# Altium PCB Panelizado.PcbDoc (part 2 of 4) (continued)
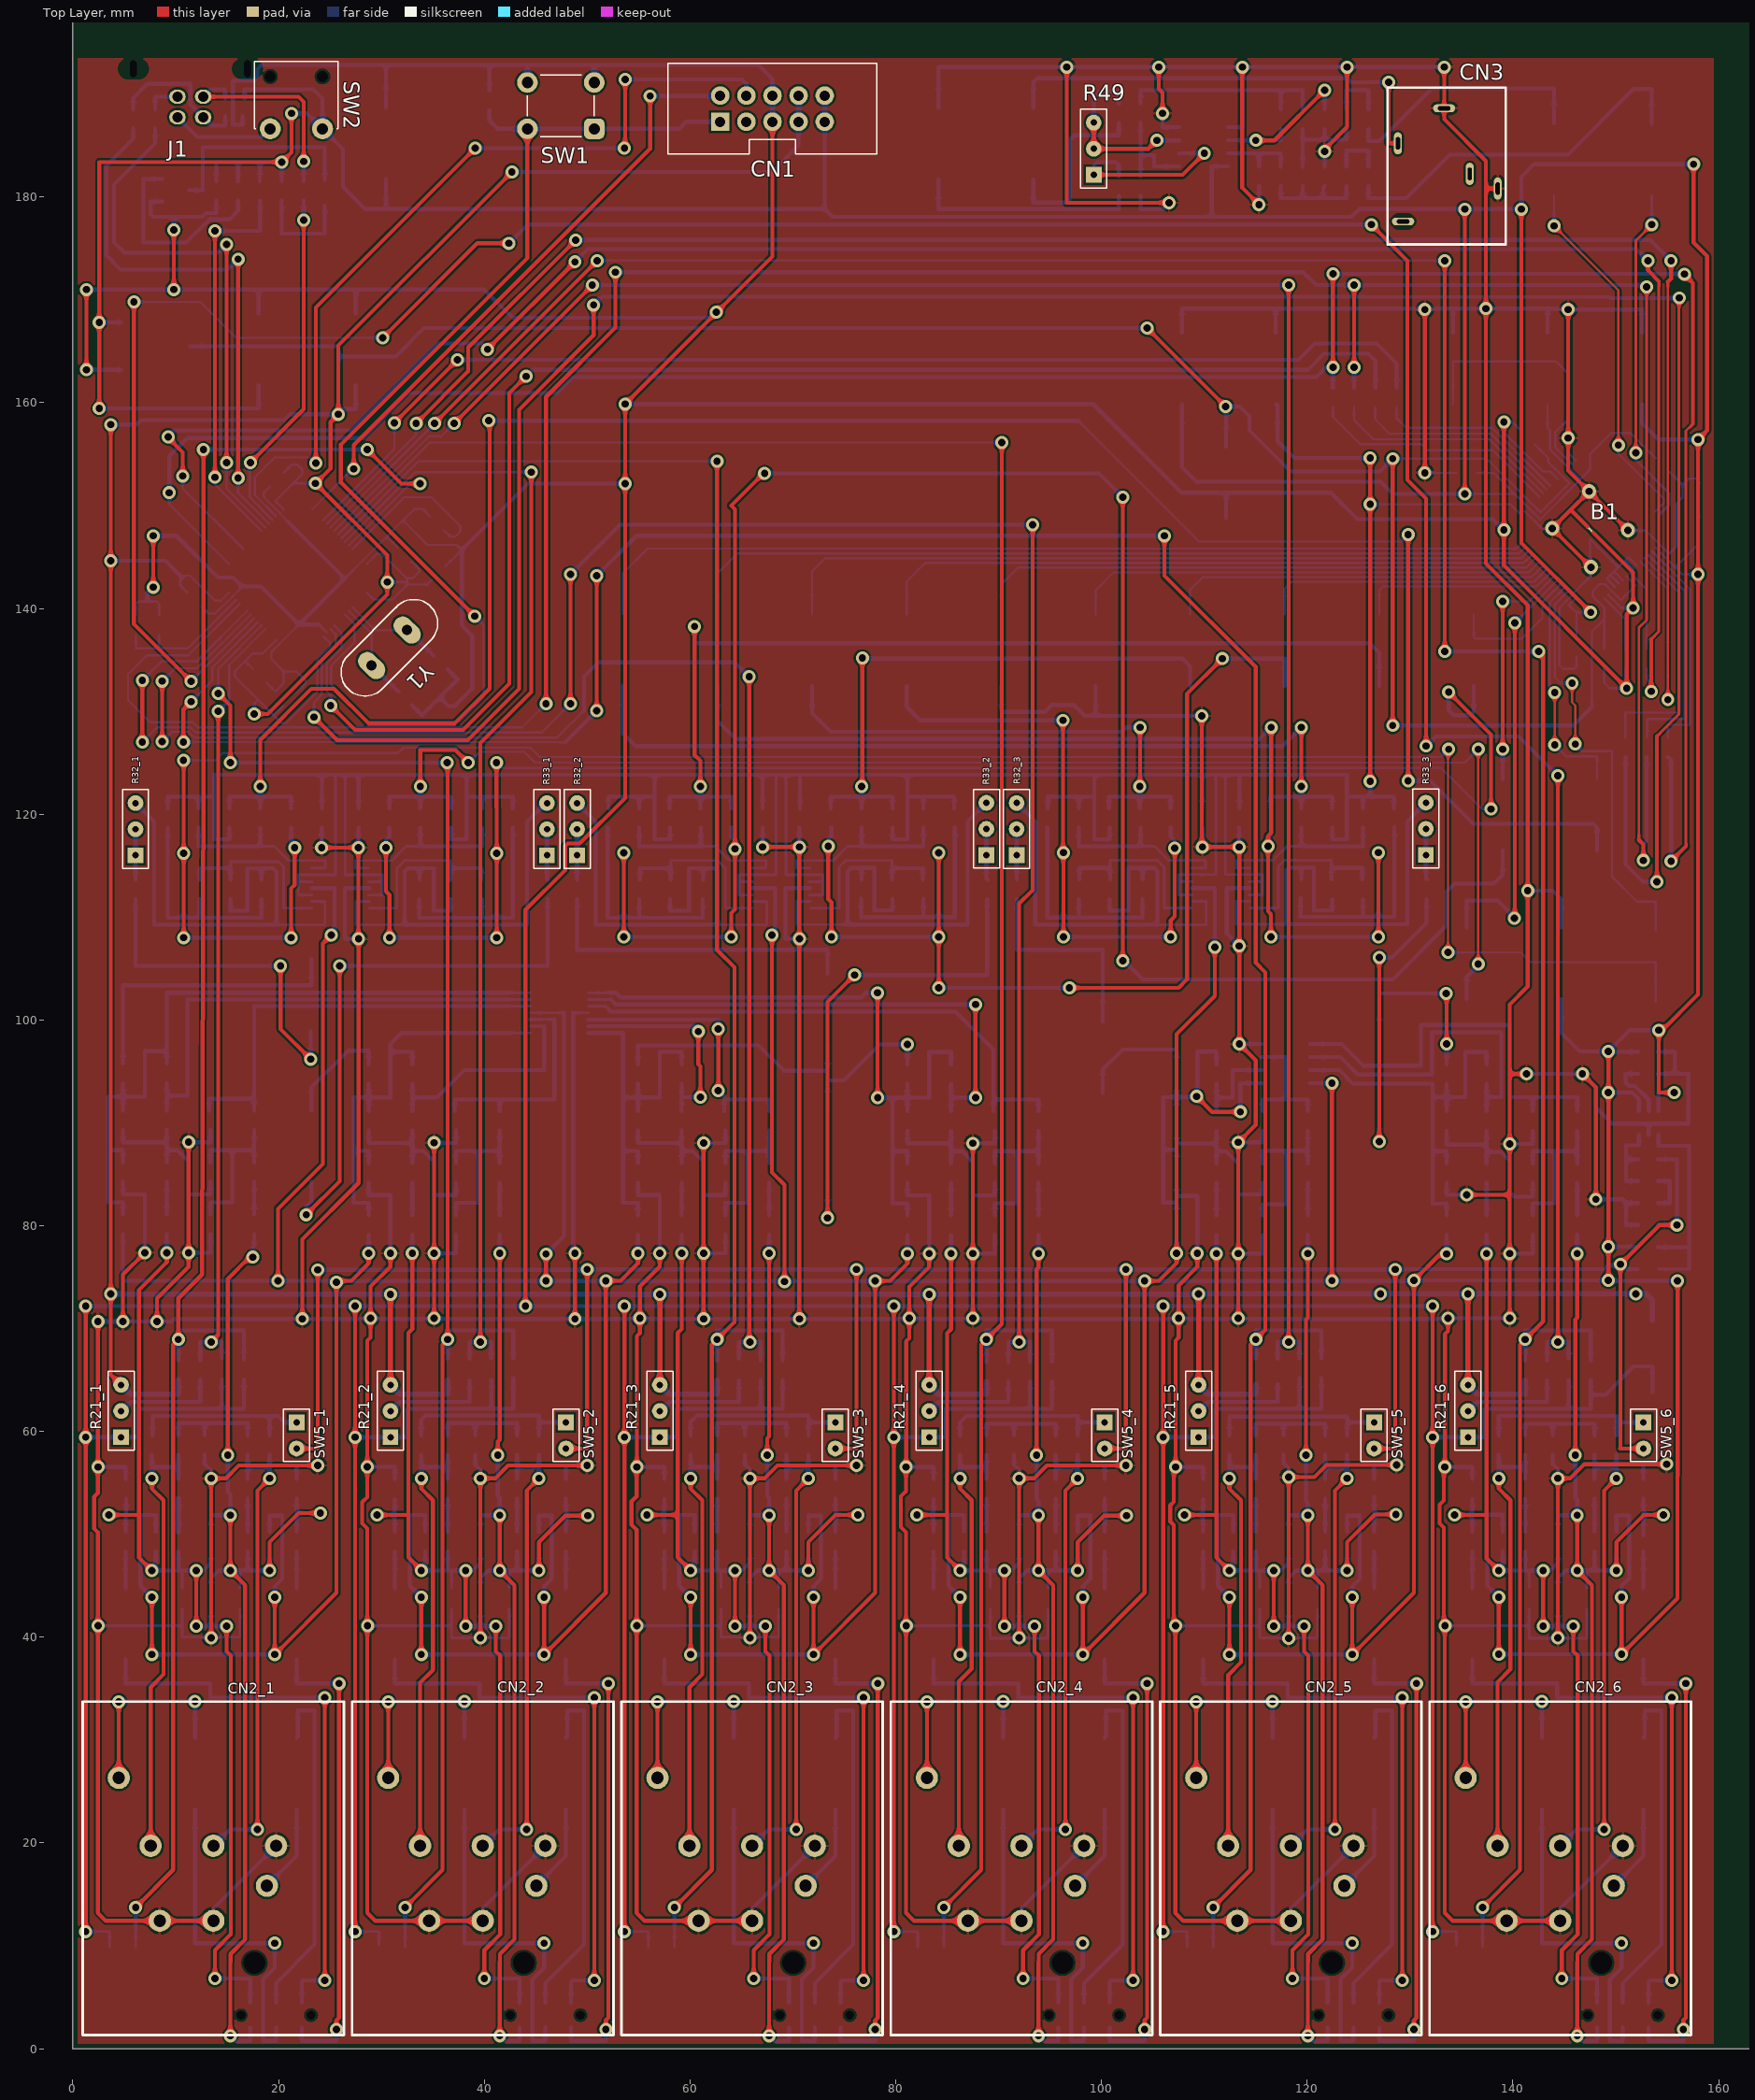
[diagram p0: Top Layer view]
## Nets (pads, with @x,y where several pads share a name; then routed paths per layer and width w, separated by ;. In a path a pad name is that pad's centre, name@x,y a point inside that pad or via, vN(x,y) a via of type N, cw(c..) or ccw(c..) an arc to the next point about the centre after c; other vN are vias at no path point) (continued)
  Bottom Layer w0.203: v1(131.437,153.187) C25.2@134.55,153.187 ; U3.2@141.154,149.438 142.904,147.687 U3.EPAD@143.818,147.687 ; v1(145.375,156.563) 145.375,155.116 U3.16@146.103,154.387 ; C29.2@146.188,135.3 146.188,134.375 145.938,134.125 144.875,134.125 144.52,134.48 144.52,140.062 145.75,141.292 U3.50@145.75,141.341 147.5,143.091 147.5,146.744 150.244,144 ; U3.45@149.957,142.048 149.125,142.881 149.469,143.224 ; U3.44@150.311,142.402 149.488,143.224 149.469,143.224 ; U3.43@150.664,142.755 149.852,143.568 149.812,143.568 ; v2(151.182,147.598) 151.217,147.562 152.928,147.562 U3.33@154.2,146.291 155.178,145.313 155.875,146.009 155.875,150.188 156.5,150.813 156.5,152 ; U3.40@151.725,143.816 150.911,144.631 150.875,144.631 ; U3.39@152.079,144.17 151.246,145.002 150.875,144.631 ; C30.2@155.234,153.266 156.5,152 ; C21.2@158.063,151.513 158.063,152.625 157.125,152.625 156.5,152 ; 149.469,143.224 149.812,143.568 ; 149.812,143.568 150.244,144 ; 150.244,144 150.875,144.631
  Bottom Layer w0.254: v1(2.458,41.105) 10.625,41.105 ; D3_1.2@10.625,42.77 10.625,41.105 ; D4_1.2@16.25,42.77 16.25,40 13.438,40 10.625,40 10.625,41.105 ; v1(28.645,41.105) 36.812,41.105 ; D3_2.2@36.812,42.77 36.812,41.105 ; D4_2.2@42.437,42.77 42.437,39.937 36.812,39.937 36.812,41.105 ; 48.625,100.687 U7.11@50.132,100.687 ; v1(54.833,41.105) 63,41.105 ; D3_3.2@63,42.77 63,41.105 ; D4_3.2@68.625,42.77 68.625,40 63,40 63,41.105 ; v1(81.02,41.105) 89.188,41.105 ; D3_4.2@89.188,42.77 89.188,41.105 ; D4_4.2@94.813,42.77 94.813,39.875 89.188,39.875 89.188,41.105 ; v1(107.208,41.105) 115.375,41.105 ; D3_5.2@115.375,42.77 115.375,41.105 ; D4_5.2@121,42.77 121,39.937 115.375,39.937 115.375,41.105 ; v1(133.395,41.105) 141.562,41.105 ; D3_6.2@141.563,42.77 141.562,41.105 ; D4_6.2@147.188,42.77 147.188,39.875 141.562,39.875 141.562,41.105
  Bottom Layer w0.381: v1(2.438,70.687) v1(4.875,70.687) v1(8.187,70.687) 9.562,70.687 9.813,70.938 v1(22.313,70.938) v1(48.813,70.938) v1(61.313,70.938) v1(70.625,70.938) v1@133.385,70.938 ; v1(2.448,56.542) 5.125,56.542 R52.2@5.125,55.38 ; R80.2@4.875,84.237 4.875,83.037 7,83.037 v1@7,77.463 ; v1(11.25,77.375) 13.375,77.375 R88.1@13.375,79.175 ; v1@11.25,88.1 13.375,88.1 C73.2@13.375,89.3 ; C91_1.2@12.812,57.737 12.812,56.813 13.437,56.188 v1(13.437,55.437) ; v1(13.437,39.937) v1@13.438,40 ; CN2_1.G@13.66,12.428 13.66,13.622 CN2_1.1@19.756,19.718 ; R54.2@21.75,55.38 21.75,56.687 v1(23.812,56.687) ; v1(24.188,116.75) 24.188,118.647 C59_1.2@24.216,118.675 ; v1(27.75,116.75) 27.75,118.647 C60_1.2@27.778,118.675 ; v1(27.778,107.875) 26.438,107.875 26.437,112.812 U4_1.11@28.848,112.812 ; v1(28.625,56.563) 31.292,56.563 31.313,56.542 R56.2@31.313,55.38 ; R91.2@28.75,84.175 28.75,82.975 30.875,82.975 v1@30.875,77.4 ; v1(35.125,77.312) 37.25,77.312 R100.1@37.25,79.112 ; v1@35.125,88.037 37.25,88.037 C77.2@37.25,89.237 ; C91_2.2@39.125,57.737 39.125,56.75 39.625,56.25 v1(39.625,55.437) ; CN2_2.G@39.847,12.428 39.847,13.622 CN2_2.1@45.943,19.718 ; R58.2@47.937,55.38 47.937,56.687 v1(50,56.687) ; 48.625,100.687 48.625,77.5 v1(48.813,77.312) ; v1(54.823,56.542) 57.5,56.542 R60.2@57.5,55.38 ; R102.2@54.938,84.175 54.938,82.975 57.063,82.975 v1@57.063,77.4 ; v1(61.313,77.312) 63.438,77.312 R110.1@63.438,79.112 ; v1(61.313,88.037) 63.438,88.037 C79.2@63.438,89.237 ; C91_3.2@65.313,57.737 65.313,56.813 65.812,56.313 v1(65.812,55.437) ; CN2_3.G@66.035,12.428 66.035,13.622 CN2_3.1@72.131,19.718 ; v1(67.062,116.812) C59_2.2@67.063,118.675 ; v1(70.625,107.875) 69.284,107.875 69.284,112.812 U4_2.11@71.694,112.812 ; v1(70.625,116.812) C60_2.2@70.625,118.675 ; R62.2@74.125,55.38 74.125,56.687 v1(76.188,56.687) ; v1(81.011,56.542) 83.688,56.542 R64.2@83.688,55.38 ; R113.2@81.125,84.15 81.125,82.95 83.25,82.95 v1@83.25,77.375 ; C67.2@84.152,188.667 84.152,192.625 v1(96.625,192.625) v1(105.562,192.625) v1(113.687,192.625) v1(123.875,192.625) v1(133.312,192.625) ; v1(87.5,77.287) 89.625,77.287 R121.1@89.625,79.087 ; v1(87.5,88.012) 89.625,88.012 C82.2@89.625,89.212 ; C36.2@90.25,132.458 90.25,130.125 90.438,129.937 94.5,129.937 95.187,130.625 97.313,130.625 98.375,129.562 99.438,129.562 ; C91_4.2@91.5,57.737 91.5,56.75 92,56.25 v1(92,55.437) ; CN2_4.G@92.222,12.428 92.222,13.622 CN2_4.1@98.318,19.718 ; C32.2@99.438,132.458 99.438,129.562 ; R66.2@100.312,55.38 100.312,56.687 v1(102.375,56.687) ; R47.1@103.812,180.112 103.812,178.813 105.937,178.812 v1(106.562,179.437) ; v1(105.937,188.125) 105.937,186.78 U5.8@107.575,186.78 ; v1(107.198,56.542) 109.875,56.542 R68.2@109.875,55.38 ; R124.2@107.309,84.15 107.309,82.885 107.572,82.885 107.582,82.875 109.312,82.875 v1(109.312,77.312) ; C28.2@107.812,166.792 107.812,169.147 116.938,169.147 ; v1(109.75,129.562) 99.438,129.562 ; C59_3.2@109.791,118.688 109.813,118.666 v1(109.813,116.812) ; v1(113.299,77.287) 115.674,77.287 R132.1@115.674,79.087 ; v1(113.299,88.1) 115.674,88.1 C85.2@115.674,89.212 ; C60_3.2@113.354,118.688 113.375,118.666 v1(113.375,116.812) ; v1(113.375,107.187) 112.187,108.375 112.187,112.825 U4_3.11@114.423,112.825 ; v1(113.405,97.655) U8.4@115.575,97.655 ; v1(115.312,179.25) C66.2@115.312,181.05 ; C31.2@116.938,166.792 116.938,169.147 ; C91_5.2@117.687,57.737 117.687,56.938 118.188,56.437 v1(118.188,55.562) ; CN2_5.G@118.41,12.428 118.41,13.622 CN2_5.1@124.506,19.718 ; v1(121.687,184.435) R48.1@121.687,182.95 R48.1@121.687,182.95 ; R70.2@126.5,55.38 126.5,56.75 v1(128.687,56.75) ; v1(133.385,56.542) 136.062,56.542 R72.2@136.062,55.38 ; R135.2@133.563,84.15 133.563,83 v1(135.5,83) ; v1(133.687,71) 139.687,71 v1(139.698,70.989) ; C35.2@134.187,166.792 134.187,169.085 134.125,169.147 ; v1(139.688,77.287) 141.938,77.287 R143.1@141.938,79.112 ; v1(139.688,87.938) 141.938,87.938 C88.2@141.938,89.212 ; v1(141.313,94.75) v1(146.75,94.75) 148.063,93.438 148.063,91.5 149.638,89.925 153.2,89.925 ; v1(141.436,112.563) 143.875,112.563 144.688,111.75 C19.2@144.688,108.98 ; C27.2@143.375,166.792 143.375,169.085 143.312,169.147 ; C91_6.2@143.875,57.737 143.875,56.812 144.375,56.312 v1(144.375,55.437) ; CN2_6.G@144.597,12.428 144.597,13.622 CN2_6.1@150.693,19.718 ; v1(145.373,169.06) 152.498,169.06 152.562,169.125 C23.2@152.562,166.792 ; v1@145.375,169.147 143.312,169.147 ; v1(148.063,82.562) 150.64,82.562 151,82.202 ; C69.2@152.175,80.062 151,80.062 151,82.202 ; R77.1@152.187,82.202 151,82.202 ; R74.2@152.687,55.38 152.687,56.813 v1(154.938,56.813) ; U6.2@153.2,88.839 153.2,89.925 ; C70.2@154.087,94.765 157.048,94.765 157.063,94.75 157.063,89.925 153.2,89.925 ; C68.2@154.087,96.89 155.737,96.89 155.737,94.75 ; 116.938,169.147 134.125,169.147 ; 134.125,169.147 v1(137.375,169.147) 143.312,169.147
  other v1: 118.188,39.875 87.5,70.989 113.299,70.989
DGND: B1.2 C1.2 C2.2 C3.2 C4.2 C5.1 C6.1 C7.2 C8.2 C9.2 C10.2 C11.2 C12.2 C13.2 C14.2 C15.2 C20.2 C22.2 C24.2 C26.2 C49_1.2 C49_2.2 C49_3.2 C49_4.2 C49_5.2 C49_6.2 C50_1.2 C50_2.2 C50_3.2 C50_4.2 C50_5.2 C50_6.2 CN1.5 CN1.6 J1.5 J1.6 Q1.2 R1.1 R11.1 R21_1.1 R21_2.1 R21_3.1 R21_4.1 R21_5.1 R21_6.1 SP1.1 SW1.2 SW4_1.3 SW4_2.3 SW4_3.3 SW4_4.3 SW4_5.3 SW4_6.3 U1.1 U2.12 U2.18 U2.31 U2.47 U2.63 U3.11 U3.47 | length 1262.8
  Top Layer w0.203: B1.2@147.614,147.573 147.812,147.375
  Top Layer w0.381: v1(1.25,11.375) v1(1.25,59.438) v1(1.25,72.188) ; v1@1.25,163.075 v1@1.375,163.2 ; v1@1.27,171.02 1.25,171 1.312,170.938 v1(1.312,163.2) ; v1(7.812,142.062) v1(7.812,147.062) ; v1(9.813,171) v1(9.813,176.812) ; v1(27.437,11.375) v1(27.437,59.438) v1(27.437,72.185) ; v1(44,72.188) 44,110.707 47.866,114.573 47.866,116.925 48.096,117.156 49.272,117.156 53.687,121.572 v1(53.687,152.125) v1(53.687,159.875) 68.017,174.205 CN1.5@68.017,187.313 ; v1(53.625,11.375) v1(53.625,72.187) ; v1(79.812,11.375) v1(79.812,59.438) v1(79.812,72.188) ; v1(106,11.375) v1(106,59.438) v1(106,72.188) ; v1(132.187,11.375) v1(132.187,59.438) v1(132.187,72.187) ; v1(139.125,158.125) v1(139.125,147.625) 139.125,144.184 v1(151.061,132.248) 151.061,139.436 v1(151.687,140.063) 151.687,143.5 147.812,147.375
  Bottom Layer w0.203: C12.2@6.125,139.325 6.125,140.437 6.375,140.688 7.25,140.688 8.125,140.688 8.375,140.437 C11.2@8.375,139.325 ; C8.2@12.484,140.203 13.187,139.5 13.843,139.5 U2.31@15.513,141.17 16.468,142.125 ; C4.2@18.859,132.766 19.687,131.938 20.5,132.75 20.5,133.875 ; C9.2@19.141,151.828 18.563,151.25 18.563,150.848 U2.47@20.109,149.301 20.109,149.241 20.875,148.475 20.875,148.464 ; C7.2@21.797,131.859 22.625,132.687 22.625,133 21.75,133.875 20.5,133.875 ; 21.973,138.438 U2.18@20.109,136.574 19.312,135.777 19.312,135.063 20.5,133.875 ; 23.902,138.438 U2.12@24.706,137.634 ; 26.438,142.902 U2.63@28.241,144.705 30.518,146.982 ; C10.2@31.578,145.922 30.518,146.982 ; R1.1@34.703,148.984 34,149.688 33.223,149.688 32.098,148.562 ; C3.2@36.234,144.109 37.812,145.688 37.313,146.188 34.473,146.188 32.098,148.562 ; C26.2@140.766,157.297 139.938,158.125 v1(139.125,158.125) 139.125,157.125 142.937,153.313 143.643,153.313 U3.11@144.336,152.62 ; C22.2@148.875,134.175 148.875,132.75 149.377,132.248 v1(151.061,132.248) 151.061,133.064 150.937,133.188 R11.1@150.937,134.175 ; U3.47@149.25,141.341 150.529,140.063 v1(151.687,140.063) ; 30.518,146.982 32.098,148.562
  Bottom Layer w0.254: v1(1.25,11.375) 3.515,11.375 3.57,11.32 SW4_1.3@3.57,9.912 ; v1(27.437,11.375) 29.702,11.375 29.757,11.32 SW4_2.3@29.757,10.1 ; v1(53.625,11.375) 55.89,11.375 55.945,11.32 SW4_3.3@55.945,9.912 ; v1(79.812,11.375) 82.077,11.375 82.132,11.32 SW4_4.3@82.132,9.912 ; v1(106,11.375) 108.265,11.375 108.32,11.32 SW4_5.3@108.32,9.912 ; v1(132.187,11.375) 134.452,11.375 134.507,11.32 SW4_6.3@134.507,10.1
  Bottom Layer w0.381: v1(1.25,59.438) R21_1.1@4.687,59.438 6.312,59.438 6.312,62.188 14.5,62.188 ; v1(1.25,72.188) 2.063,72.188 19.312,72.186 v1(27.437,72.185) v1@79.812,72.185 ; v1@1.25,163.2 v1(1.312,163.2) U1.1@4.662,163.2 ; v1@1.25,171 v1(1.312,171) v1(9.813,171) 18.062,171 ; 7.25,140.688 7.25,141.5 v1(7.812,142.062) ; v1(7.812,147.062) 10.062,147.062 14.125,143 15.593,143 16.468,142.125 18.286,142.125 21.973,138.438 ; Q1.2@8.7,179.545 7.563,179.545 7.563,178.312 7.813,178.062 9.813,178.062 ; v1(9.813,176.812) 9.813,178.062 ; C15.2@13.938,179.633 13.938,178.437 12.938,178.437 12.562,178.062 9.813,178.062 ; C49_1.2@14.5,65.06 14.5,62.188 ; SP1.1@16.5,187.858 16.5,187.02 15.563,187.02 15.563,191.313 17.562,191.313 17.938,191.688 17.938,192.437 18.333,192.833 30.438,192.833 ; C50_1.2@16.625,65.06 16.625,62.188 14.5,62.188 ; C1.2@18.062,168.667 18.062,171 ; 20.875,148.464 26.438,142.902 21.973,138.438 ; 23.902,138.438 21.973,138.438 ; v1(27.437,59.438) R21_2.1@30.875,59.438 32.5,59.438 32.5,62.188 40.688,62.188 ; C2.2@27.5,168.667 27.5,171 ; C14.2@30.438,188.687 30.438,192.833 ; C6.1@32.984,130.578 33.937,129.625 35.672,131.359 ; C5.1@36.422,134.078 37.406,133.094 35.672,131.359 ; C13.2@40.5,190.325 40.5,192.833 ; C49_2.2@40.688,64.997 40.688,62.188 ; C50_2.2@42.813,65.185 42.813,62.188 40.688,62.188 ; SW1.2@44.187,191.125 44.187,192.77 44.125,192.833 ; SW1.2@50.688,191.125 50.688,192.833 ; v1(53.625,59.438) R21_3.1@57.062,59.438 58.687,59.438 58.687,62.188 66.875,62.188 ; v1(53.687,159.875) 99.188,159.875 107.812,151.25 112.125,151.25 ; v1@53.813,152.125 v1(53.687,152.125) 44.25,152.125 37.812,145.688 37.812,138.375 38.813,137.375 38.813,132.188 37.125,130.5 36.531,130.5 35.672,131.359 ; v1(62.563,168.812) 62,168.25 42.75,168.25 40,171 27.5,171 ; C49_3.2@66.875,64.997 66.875,62.188 ; CN1.5@68.017,187.313 CN1.6@68.017,189.853 68.017,191.483 66.667,192.833 50.688,192.833 ; C50_3.2@69,64.997 69,62.188 66.875,62.188 ; v1(79.812,59.438) R21_4.1@83.25,59.438 84.875,59.438 84.875,62.188 93.063,62.188 ; v1(79.812,72.188) v1(106,72.188) v1(132.187,72.187) ; C49_4.2@93.063,64.872 93.063,62.188 ; C50_4.2@95.188,64.872 95.188,62.188 93.063,62.188 ; v1(106,59.438) R21_5.1@109.437,59.438 111.062,59.438 111.062,62.188 119.25,62.188 ; C24.2@112.125,148.77 112.125,151.25 ; C49_5.2@119.25,65.185 119.25,62.188 ; C50_5.2@121.375,65.185 121.375,62.188 119.25,62.188 ; v1(132.187,59.438) R21_6.1@135.625,59.438 137.25,59.438 137.25,62.188 145.437,62.188 ; v1(139.125,147.625) 138.063,148.688 124.875,148.688 122.313,151.25 112.125,151.25 ; C49_6.2@145.437,64.997 145.437,62.188 ; C50_6.2@147.563,64.997 147.563,63.562 ; C20.2@153.562,63.833 153.562,66.25 153.5,66.312 151.75,66.312 149,63.562 147.563,63.562 ; 18.062,171 27.5,171 ; 30.438,192.833 40.5,192.833 ; 40.5,192.833 44.125,192.833 ; 44.125,192.833 50.688,192.833 ; 145.437,62.188 147.563,62.188 147.563,63.562
NetC5_2: C5.2 U2.5 Y1.1 | length 9.8
  Bottom Layer w0.203: U2.5@27.18,140.109 29.389,137.9 Y1.1@32.5,137.9
  Bottom Layer w0.381: Y1.1@32.5,137.9 32.6,137.9 C5.2@35.078,135.422
NetC6_2: C6.2 U2.6 Y1.2 | length 9.9
  Bottom Layer w0.203: U2.6@26.827,139.756 29.05,137.533 Y1.2@29.05,134.45
  Bottom Layer w0.381: Y1.2@29.05,134.45 29.113,134.45 C6.2@31.641,131.922
NetC11_1: C11.1 C12.1 U2.30 | length 14.3
  Bottom Layer w0.203: C12.1@6.125,137.425 6.125,136.125 8.375,136.125 ; C11.1@8.375,137.425 8.375,136.125 ; U2.30@15.867,140.816 11.175,136.125 8.375,136.125
NetC13_1: C13.1 CN1.1 SW1.1 U2.7 | length 118
  Top Layer w0.381: v1(39.062,139.25) 26.063,152.25 26.063,155.938 44.187,174.062 SW1.1@44.187,186.625
  Bottom Layer w0.203: U2.7@26.473,139.402 27.375,138.5 27.375,136.687 25.094,134.406 25.094,132.594 28.687,129 37.563,129 39.937,131.375 39.937,138.375 v1(39.062,139.25)
  Bottom Layer w0.381: C13.1@40.5,188.425 40.5,187.437 41.313,186.625 SW1.1@44.187,186.625 SW1.1@50.688,186.625 58.937,186.625 59.625,187.313 CN1.1@62.937,187.313
NetC16_1_1: C16_1.1 R8_1.1 | length 3.6
  Bottom Layer w0.381: C16_1.1@5.125,44.772 R8_1.1@5.125,48.342
NetC16_1_2: C16_1.2 SW3_1.1 | length 54.9
  Top Layer w0.381: v1(24.5,6.625) v1(24.5,34.125)
  Bottom Layer w0.381: C16_1.2@5.125,37.812 5.125,35.5 13.359,35.5 13.359,34.125 v1(24.5,34.125) ; SW3_1.1@22.25,4.45 22.25,6.5 22.375,6.625 22.625,6.625 v1(24.5,6.625)
NetC16_2_1: C16_2.1 R8_2.1 | length 3.6
  Bottom Layer w0.381: C16_2.1@31.313,44.772 R8_2.1@31.313,48.342
NetC16_2_2: C16_2.2 SW3_2.1 | length 54.9
  Top Layer w0.381: v1(50.687,6.625) v1(50.687,34.125)
  Bottom Layer w0.381: C16_2.2@31.313,37.812 31.313,35.5 39.547,35.5 39.547,34.125 v1(50.687,34.125) ; SW3_2.1@48.437,4.45 48.437,6.5 48.562,6.625 48.812,6.625 v1(50.687,6.625)
NetC16_3_1: C16_3.1 R8_3.1 | length 3.6
  Bottom Layer w0.381: C16_3.1@57.5,44.772 R8_3.1@57.5,48.342
NetC16_3_2: C16_3.2 SW3_3.1 | length 54.9
  Top Layer w0.381: v1(76.875,6.625) v1(76.875,34.125)
  Bottom Layer w0.381: C16_3.2@57.5,37.812 57.5,35.5 65.734,35.5 65.734,34.125 v1(76.875,34.125) ; SW3_3.1@74.625,4.45 74.625,6.5 74.75,6.625 75,6.625 v1(76.875,6.625)
NetC16_4_1: C16_4.1 R8_4.1 | length 3.6
  Bottom Layer w0.381: C16_4.1@83.688,44.772 R8_4.1@83.688,48.342
NetC16_4_2: C16_4.2 SW3_4.1 | length 54.9
  Top Layer w0.381: v1(103.062,6.625) v1(103.062,34.125)
  Bottom Layer w0.381: C16_4.2@83.688,37.812 83.688,35.5 91.922,35.5 91.922,34.125 v1(103.062,34.125) ; SW3_4.1@100.812,4.45 100.812,6.5 100.937,6.625 101.187,6.625 v1(103.062,6.625)
NetC16_5_1: C16_5.1 R8_5.1 | length 3.6
  Bottom Layer w0.381: C16_5.1@109.875,44.772 R8_5.1@109.875,48.342
NetC16_5_2: C16_5.2 SW3_5.1 | length 54.9
  Top Layer w0.381: v1(129.25,6.625) v1(129.25,34.125)
  Bottom Layer w0.381: C16_5.2@109.875,37.812 109.875,35.5 118.109,35.5 118.109,34.125 v1(129.25,34.125) ; SW3_5.1@127,4.45 127,6.5 127.125,6.625 127.375,6.625 v1(129.25,6.625)
NetC16_6_1: C16_6.1 R8_6.1 | length 3.6
  Bottom Layer w0.381: C16_6.1@136.063,44.772 R8_6.1@136.063,48.342
NetC16_6_2: C16_6.2 SW3_6.1 | length 54.9
  Top Layer w0.381: v1(155.437,6.625) v1(155.437,34.125)
  Bottom Layer w0.381: C16_6.2@136.063,37.812 136.062,35.5 144.297,35.5 144.297,34.125 v1(155.437,34.125) ; SW3_6.1@153.187,4.45 153.187,6.5 153.312,6.625 153.562,6.625 v1(155.437,6.625)
NetC17_1_1: C17_1.1 D3_1.1 R8_1.2 R9_1.2 R51.2 R52.1 R81.1 R144_1.1 SW3_1.3 | length 107
  Top Layer w0.381: v1(3.5,51.875) 6.403,51.875 6.424,51.855 ; v1(7.688,46.48) 6.424,47.744 6.424,51.855 ; v1(9.125,77.375) 9.125,76.438 6.424,73.736 6.424,51.855 ; v1(12,41.063) v1(12,46.48) ; v1(13.812,6.813) 13.812,9.562 15.365,11.115 15.365,38.197 14.938,38.625 v1(14.938,41.063) ; v1@15.365,41.063 v1@15.365,41.105
  Bottom Layer w0.254: D3_1.1@10.625,44.815 10.625,46.48
  Bottom Layer w0.381: R8_1.2@5.125,50.242 5.125,51.875 v1(3.5,51.875) 5.188,51.875 R52.1@5.188,53.48 ; R51.2@8.063,48.342 8.063,46.855 v1(7.688,46.48) 10.25,46.48 ; v1(9.125,77.375) R81.1@9.125,79.175 ; R144_1.1@10.25,48.342 10.25,46.48 ; v1(12,41.063) 13.437,41.063 ; C17_1.1@13.437,42.717 13.437,41.063 ; R9_1.2@13.437,47.905 13.437,47.23 12.687,46.48 v1(12,46.48) 10.625,46.48 10.25,46.48 ; v1(13.812,6.813) 17.25,6.813 SW3_1.3@17.25,4.45 ; v1(14.938,41.063) 13.437,41.063
NetC17_1_2: C17_1.2 D4_1.1 R9_1.1 R10_1.2 R53.2 R54.1 R85.1 R147_1.1 SW3_1.6 | length 113.9
  Top Layer w0.381: v1(15.062,57.687) 15.062,74.812 17.188,76.937 v1(17.5,76.937) ; v1(15.312,1.25) 15.312,8.411 15.329,8.428 15.329,9.205 16.75,10.625 16.75,45.042 v1(15.312,46.48) v1(15.312,51.855) ; v1(19.125,46.48) 19.125,49.23 21.958,52.062 v1(24.062,52.062)
  Bottom Layer w0.254: D4_1.1@16.25,44.815 16.25,46.48
  Bottom Layer w0.381: C17_1.2@13.437,45.055 13.437,45.73 14.187,46.48 v1(15.312,46.48) 16.25,46.48 17,46.48 ; R9_1.1@13.437,50.242 13.437,51.855 v1(15.312,51.855) 15.312,53.875 15.062,54.125 v1(15.062,57.687) ; v1(15.312,1.25) 15.812,0.75 17.25,0.75 SW3_1.6@17.25,2.05 ; R147_1.1@17,48.342 17,46.48 ; v1(17.5,76.937) 17.5,77.937 17.625,78.063 R85.1@17.625,79.175 ; R53.2@19.125,48.342 v1(19.125,46.48) 17,46.48 ; R10_1.2@21.75,50.242 21.75,52.062 ; R54.1@21.75,53.48 21.75,52.062 ; v1(24.062,52.062) 21.75,52.062
NetC17_2_1: C17_2.1 D3_2.1 R8_2.2 R9_2.2 R55.2 R56.1 R92.1 R144_2.1 SW3_2.3 | length 104.5
  Top Layer w0.381: v1(29.563,51.875) 32.606,51.875 32.611,51.88 ; v1(33,77.312) 33,69.963 32.611,69.574 32.611,51.88 ; v1@33.875,46.505 32.611,47.769 32.611,51.88 ; v1(38.187,41.063) v1(38.187,46.48) ; v1(40,6.813) 40,9.562 41.553,11.115 41.553,38.197 41.125,38.625 v1(41.125,41.063) ; v1@41.552,41.063 v1@41.552,41.105
  Bottom Layer w0.254: D3_2.1@36.812,44.815 36.812,46.48
  Bottom Layer w0.381: v1(29.563,51.875) 31.313,51.875 ; R8_2.2@31.313,50.242 31.313,51.875 ; R56.1@31.313,53.417 31.313,51.875 ; v1(33,77.312) R92.1@33,79.112 ; R55.2@34.25,48.342 34.25,46.855 v1(33.875,46.48) 36.437,46.48 ; R144_2.1@36.43,48.342 36.43,46.487 36.437,46.48 ; v1(38.187,41.063) 39.625,41.063 ; C17_2.1@39.625,42.717 39.625,41.063 ; R9_2.2@39.625,47.905 39.625,47.23 38.875,46.48 v1(38.187,46.48) 36.812,46.48 36.437,46.48 ; v1(40,6.813) 43.437,6.813 SW3_2.3@43.437,4.45 ; v1(41.125,41.063) 39.625,41.063
NetC17_2_2: C17_2.2 D4_2.1 R9_2.1 R10_2.2 R57.2 R58.1 R97.1 R147_2.1 SW3_2.6 | length 112.1
  Top Layer w0.381: v1(41.313,57.687) 41.313,59 41.5,59.188 v1(41.5,77.312) ; v1(41.5,1.25) 41.5,8.411 41.517,8.428 41.517,9.205 42.937,10.625 42.937,45.042 v1(41.5,46.48) v1(41.5,51.855) ; v1(45.313,46.48) 45.313,49.23 47.895,51.812 v1(50.063,51.812)
  Bottom Layer w0.254: D4_2.1@42.437,44.815 42.437,46.48
  Bottom Layer w0.381: C17_2.2@39.625,45.055 39.625,45.73 40.375,46.48 v1(41.5,46.48) 42.437,46.48 43.188,46.48 ; R9_2.1@39.625,50.242 39.625,51.855 v1(41.5,51.855) 41.5,53.563 41.313,53.75 v1(41.313,57.687) ; v1(41.5,1.25) 42,0.75 43.437,0.75 SW3_2.6@43.437,2.05 ; v1(41.5,77.312) R97.1@41.5,79.112 ; R147_2.1@43.188,48.342 43.188,46.48 ; R57.2@45.313,48.342 v1(45.313,46.48) 43.188,46.48 ; R10_2.2@47.937,50.242 47.937,51.812 ; R58.1@47.937,53.48 47.937,51.812 ; v1(50.063,51.812) 47.937,51.812
NetC17_3_1: C17_3.1 D3_3.1 R8_3.2 R9_3.2 R59.2 R60.1 R103.1 R144_3.1 SW3_3.3 | length 104.3
  Top Layer w0.381: v1@55.812,51.88 58.799,51.88 ; v1(59.188,77.312) 59.188,69.963 58.799,69.574 58.799,51.88 ; v1@60.063,46.505 58.799,47.769 58.799,51.88 ; v1(64.375,41.063) v1(64.375,46.48) ; v1(66.187,6.813) 66.187,9.562 67.74,11.115 67.74,38.197 67.312,38.625 v1(67.312,41.063) ; v1@67.74,41.063 v1@67.74,41.105
  Bottom Layer w0.254: D3_3.1@63,44.815 63,46.48
  Bottom Layer w0.381: v1(55.812,51.875) 55.867,51.875 57.5,51.875 ; R8_3.2@57.5,50.242 57.5,51.875 ; R60.1@57.5,53.417 57.5,51.875 ; v1(59.188,77.312) R103.1@59.188,79.112 ; R59.2@60.437,48.342 60.437,46.855 v1(60.062,46.48) 62.625,46.48 ; R144_3.1@62.617,48.342 62.617,46.487 62.625,46.48 ; v1(64.375,41.063) 65.812,41.063 ; C17_3.1@65.812,42.717 65.812,41.063 ; R9_3.2@65.812,47.905 65.812,47.23 65.062,46.48 v1(64.375,46.48) 63,46.48 62.625,46.48 ; v1(66.187,6.813) 69.625,6.813 SW3_3.3@69.625,4.45 ; v1(67.312,41.063) 65.812,41.063
NetC17_3_2: C17_3.2 D4_3.1 R9_3.1 R10_3.2 R61.2 R62.1 R107.1 R147_3.1 SW3_3.6 | length 112.3
  Top Layer w0.381: v1(67.5,57.687) 67.5,59.313 67.688,59.5 v1(67.688,77.312) ; v1(67.687,1.25) 67.687,8.411 67.704,8.428 67.704,9.205 69.125,10.625 69.125,45.042 v1(67.687,46.48) v1(67.687,51.855) ; v1(71.5,46.48) 71.5,49.23 74.145,51.875 v1(76.312,51.875)
  Bottom Layer w0.254: D4_3.1@68.625,44.815 68.625,46.48
  Bottom Layer w0.381: C17_3.2@65.812,45.055 65.812,45.73 66.562,46.48 v1(67.687,46.48) 68.625,46.48 69.375,46.48 ; R9_3.1@65.812,50.242 65.812,51.855 v1(67.687,51.855) 67.687,53.5 67.5,53.687 v1(67.5,57.687) ; v1(67.687,1.25) 68.187,0.75 69.625,0.75 SW3_3.6@69.625,2.05 ; v1(67.688,77.312) R107.1@67.687,79.112 ; R147_3.1@69.375,48.342 69.375,46.48 ; R61.2@71.5,48.342 v1(71.5,46.48) 69.375,46.48 ; R10_3.2@74.125,50.242 74.125,51.875 ; R62.1@74.125,53.48 74.125,51.875 ; v1(76.312,51.875) 74.125,51.875
NetC17_4_1: C17_4.1 D3_4.1 R8_4.2 R9_4.2 R63.2 R64.1 R114.1 R144_4.1 SW3_4.3 | length 104.2
  Top Layer w0.381: v1(82.063,51.875) 84.966,51.875 84.986,51.855 ; v1(85.375,77.287) 85.375,69.938 84.986,69.549 84.986,51.855 ; v1(86.25,46.48) 84.986,47.744 84.986,51.855 ; v1(90.562,41.063) v1(90.562,46.48) ; v1(92.375,6.813) 92.375,9.562 93.928,11.115 93.928,38.197 93.5,38.625 v1(93.5,41.063) ; v1@93.927,41.063 v1@93.927,41.105
  Bottom Layer w0.254: D3_4.1@89.188,44.815 89.188,46.48
  Bottom Layer w0.381: v1(82.063,51.875) 83.688,51.875 ; R8_4.2@83.688,50.242 83.688,51.875 ; R64.1@83.688,53.417 83.688,51.875 ; v1(85.375,77.287) R114.1@85.375,79.087 ; R63.2@86.625,48.342 86.625,46.855 v1(86.25,46.48) 88.812,46.48 ; R144_4.1@88.805,48.342 88.805,46.487 88.812,46.48 ; v1(90.562,41.063) 92,41.063 ; C17_4.1@92,42.717 92,41.063 ; R9_4.2@92,47.905 92,47.23 91.25,46.48 v1(90.562,46.48) 89.188,46.48 88.812,46.48 ; v1(92.375,6.813) 95.812,6.813 SW3_4.3@95.812,4.45 ; v1(93.5,41.063) 92,41.063
NetC17_4_2: C17_4.2 D4_4.1 R9_4.1 R10_4.2 R65.2 R66.1 R118.1 R147_4.1 SW3_4.6 | length 112.1
  Top Layer w0.381: v1(93.688,57.687) 93.688,75.75 93.875,75.938 v1(93.875,77.287) ; v1(93.875,1.25) 93.875,8.411 93.892,8.428 93.892,9.205 95.312,10.625 95.312,45.042 v1(93.875,46.48) v1(93.875,51.855) ; v1(97.688,46.48) 97.688,49.23 100.27,51.812 v1(102.437,51.812)
  Bottom Layer w0.254: D4_4.1@94.813,44.815 94.813,46.48
  Bottom Layer w0.381: C17_4.2@92,45.055 92,45.73 92.75,46.48 v1(93.875,46.48) 94.813,46.48 95.563,46.48 ; R9_4.1@92,50.242 92,51.855 v1(93.875,51.855) 93.875,53.25 93.688,53.437 v1(93.688,57.687) ; v1(93.875,1.25) 94.375,0.75 95.812,0.75 SW3_4.6@95.812,2.05 ; v1(93.875,77.287) R118.1@93.875,79.087 ; R147_4.1@95.563,48.342 95.563,46.48 ; R65.2@97.688,48.342 v1(97.688,46.48) 95.563,46.48 ; R10_4.2@100.312,50.242 100.312,51.812 ; R66.1@100.312,53.48 100.312,51.812 ; v1(102.437,51.812) 100.312,51.812